# KiCad board Final Project KiCAD designs.kicad_pcb
title: PONG RGB LED Matrix Diver; date: 2023-10-09; rev: 1; note: ENEL599 Final Project; note: Skye Pooley; note: 22179237
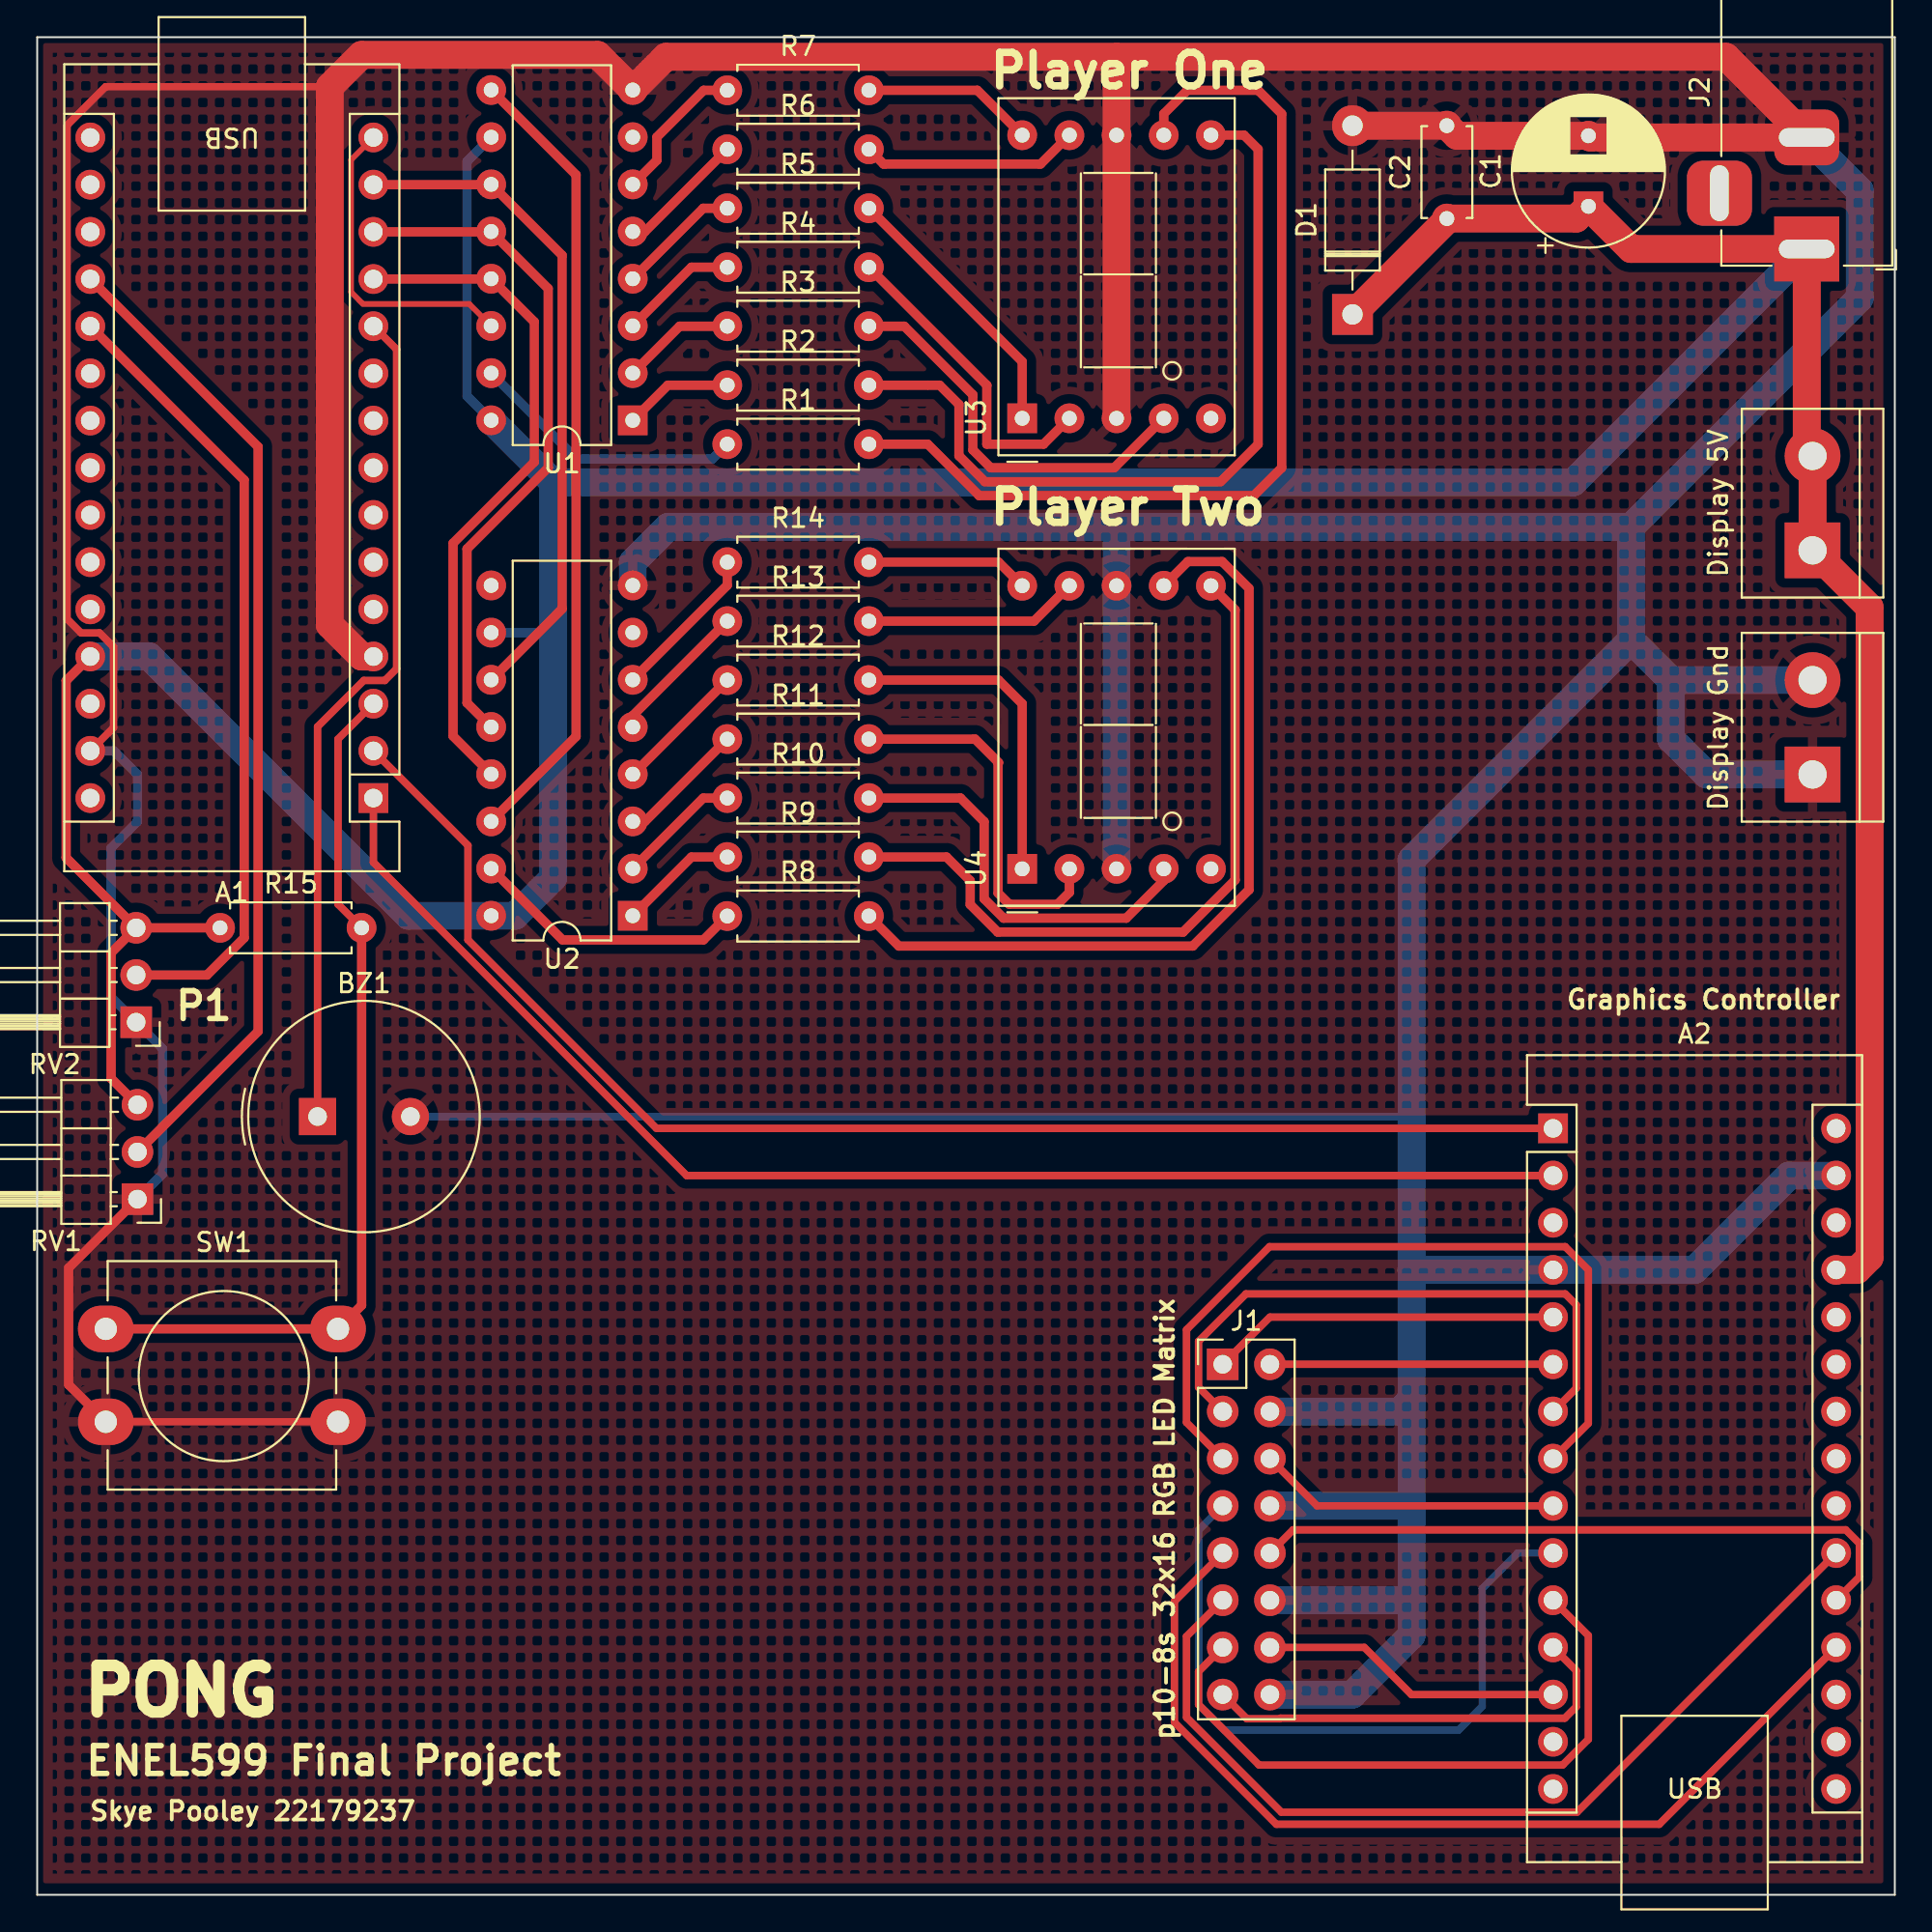
[diagram p0: board, top side]
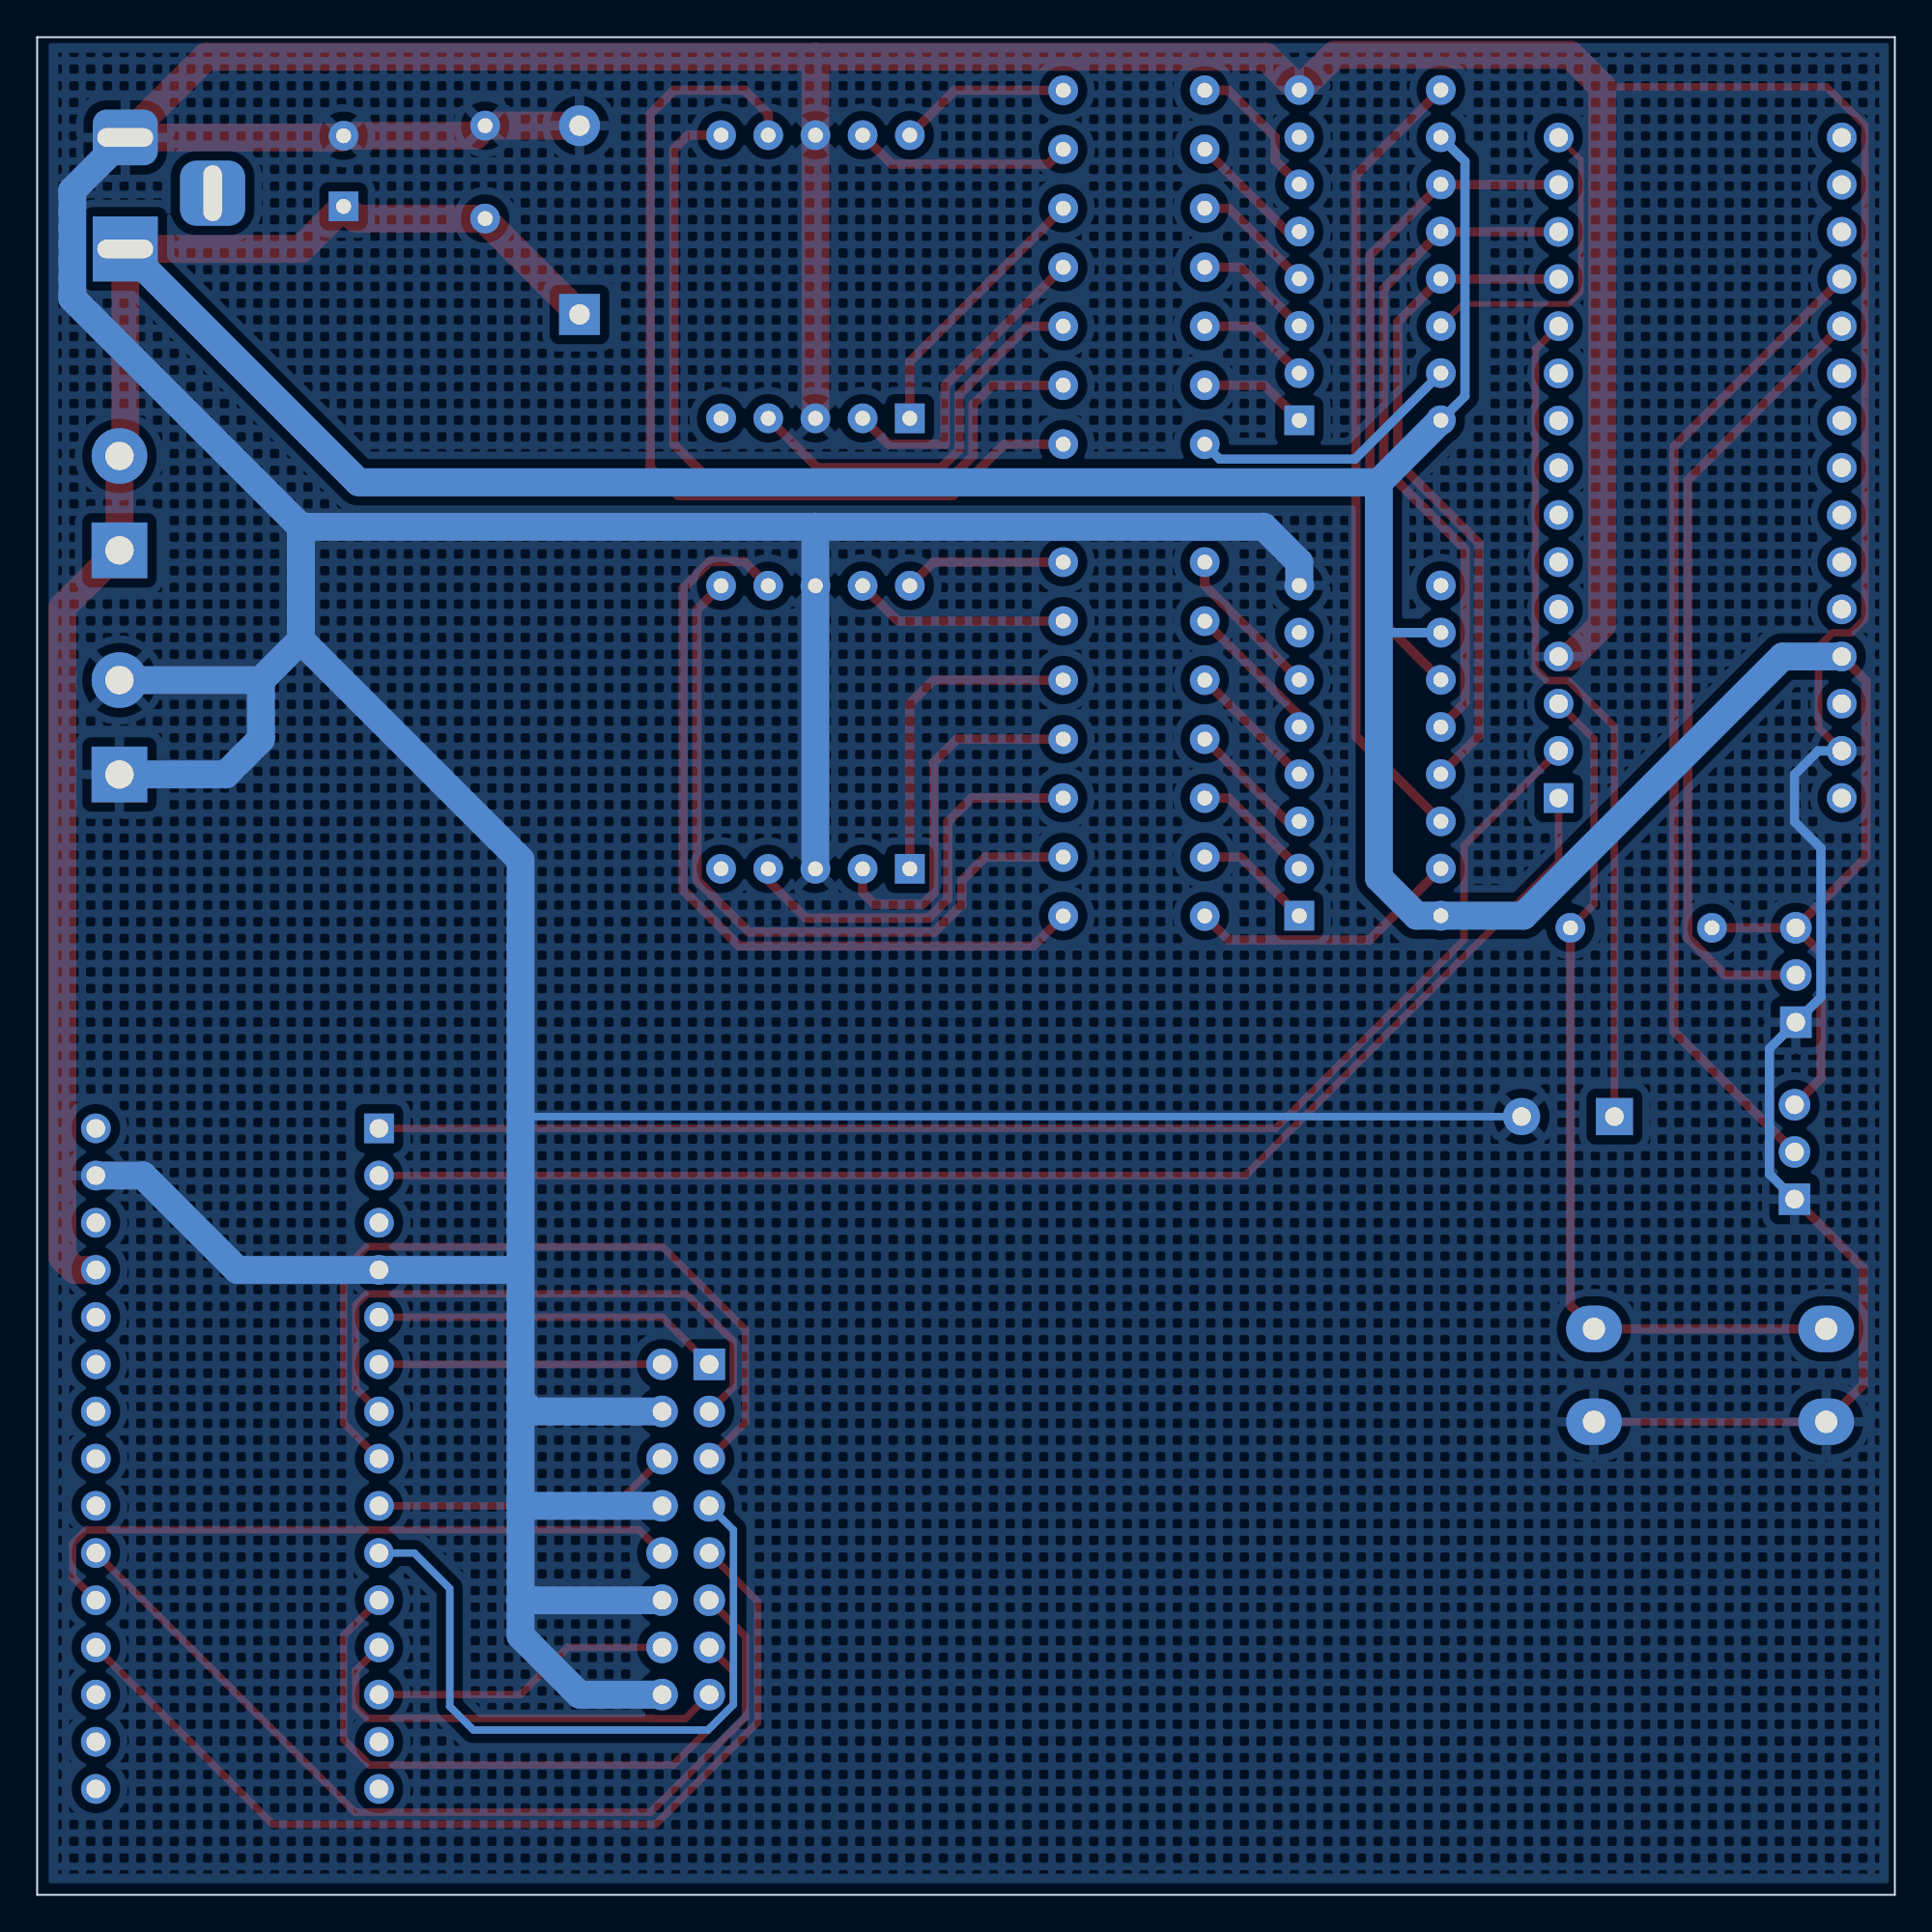
[diagram p1: board, bottom side, seen from below]

Outline 100 x 100 mm; copper layers: Top, Bottom. Coordinates in mm from the lower left corner of the outline.
Outline path: 0,100 100,100 100,0 0,0 0,100
Stack: Top 0.035mm / dielectric 1.51mm FR4 er 4.5 / Bottom 0.035mm

## Placement (name value [footprint] x y rotation side)
A1  Arduino_Nano_v3.x  [Arduino_Nano]  18.1 59.04 180 top
A2  Arduino_Nano_v3.x  [Arduino_Nano]  81.6 41.26 0 top
BZ1  Buzzer  [Buzzer_TDK_PS1240P02BT_D12.2mm_H6.5mm]  15.09 41.89 0 top
C1  C_Polarized  [CP_Radial_D8.0mm_P3.80mm]  83.5 90.89 90 top
C2  1uF  [C_Disc_D4.7mm_W2.5mm_P5.00mm]  75.89 90.23 90 top
D1  1N4001  [D_DO-41_SOD81_P10.16mm_Horizontal]  70.81 85.08 90 top
Display 5V  Screw_Terminal_01x02  [TerminalBlock_bornier-2_P5.08mm]  95.57 72.38 90 top
Display Gnd  Screw_Terminal_01x02  [TerminalBlock_bornier-2_P5.08mm]  95.57 60.31 90 top
J1  LED_Matrix_Header  [PinHeader_2x08_P2.54mm_Vertical]  63.82 28.56 0 top
J2  Jack-DC  [BarrelJack_Horizontal]  95.26 88.6 270 top
R1  200R  [R_Axial_DIN0207_L6.3mm_D2.5mm_P7.62mm_Horizontal]  37.15 78.09 0 top
R2  200R  [R_Axial_DIN0207_L6.3mm_D2.5mm_P7.62mm_Horizontal]  37.15 81.27 0 top
R3  200R  [R_Axial_DIN0207_L6.3mm_D2.5mm_P7.62mm_Horizontal]  37.15 84.44 0 top
R4  200R  [R_Axial_DIN0207_L6.3mm_D2.5mm_P7.62mm_Horizontal]  37.15 87.62 0 top
R5  200R  [R_Axial_DIN0207_L6.3mm_D2.5mm_P7.62mm_Horizontal]  37.15 90.79 0 top
R6  200R  [R_Axial_DIN0207_L6.3mm_D2.5mm_P7.62mm_Horizontal]  37.15 93.97 0 top
R7  200R  [R_Axial_DIN0207_L6.3mm_D2.5mm_P7.62mm_Horizontal]  37.15 97.14 0 top
R8  200R  [R_Axial_DIN0207_L6.3mm_D2.5mm_P7.62mm_Horizontal]  37.15 52.69 0 top
R9  200R  [R_Axial_DIN0207_L6.3mm_D2.5mm_P7.62mm_Horizontal]  37.15 55.86 0 top
R10  200R  [R_Axial_DIN0207_L6.3mm_D2.5mm_P7.62mm_Horizontal]  37.15 59.04 0 top
R11  200R  [R_Axial_DIN0207_L6.3mm_D2.5mm_P7.62mm_Horizontal]  37.15 62.22 0 top
R12  200R  [R_Axial_DIN0207_L6.3mm_D2.5mm_P7.62mm_Horizontal]  37.15 65.39 0 top
R13  200R  [R_Axial_DIN0207_L6.3mm_D2.5mm_P7.62mm_Horizontal]  37.15 68.56 0 top
R14  200R  [R_Axial_DIN0207_L6.3mm_D2.5mm_P7.62mm_Horizontal]  37.15 71.74 0 top
R15  10kR  [R_Axial_DIN0207_L6.3mm_D2.5mm_P7.62mm_Horizontal]  9.84 52.06 0 top
RV1  R_Potentiometer  [PinHeader_1x03_P2.54mm_Horizontal]  5.4 37.45 180 top
RV2  R_Potentiometer  [PinHeader_1x03_P2.54mm_Horizontal]  5.33 46.97 180 top
SW1  SW_Push  [SW_PUSH-12mm_Wuerth-430476085716]  3.7 30.47 0 top
U1  74HC595  [DIP-16_W7.62mm]  32.06 79.38 180 top
U2  74HC595  [DIP-16_W7.62mm]  32.06 52.7 180 top
U3  HDSP-A151  [D1X8K]  53.03 79.48 90 top
U4  HDSP-A151  [D1X8K]  53.03 55.23 90 top

## Library data of the parts
A1 A2 = -: Description: Arduino Nano v3.x
BZ1 = -: Description: Buzzer, polarized
C1 = -: Description: Polarized capacitor
C2 = -: Description: Unpolarized capacitor
D1 = -: Description: 50V 1A General Purpose Rectifier Diode, DO-41; Sim.Device: D; Sim.Pins: 1=K 2=A
Display 5V Display Gnd = -: Description: Generic screw terminal, single row, 01x02, script generated (kicad-library-utils/schlib/autogen/connector/)
J1 = -: Description: Generic connector, double row, 02x08, counter clockwise pin numbering scheme (similar to DIP package numbering), script generated (kicad-library-utils/schlib/autogen/connector/)
J2 = -: Description: DC Barrel Jack
R1-R15 = -: Description: Resistor
RV1 RV2 = -: Description: Potentiometer
SW1 = -: Description: Push button switch, generic, two pins
U1 U2 = -: Description: 8-bit serial in/out Shift Register 3-State Outputs
U3 U4 = -: Description: One digit 7 segment red, common anode

## Footprints (pads in the part's own frame, mm; a bottom-side part is the same pattern mirrored in y, then rotated)
Arduino_Nano
  rect 1.6x1.6 hole 1: 1(0,0)
  oval 1.6x1.6 hole 1: 2(0,-2.54) 3(0,-5.08) 4(0,-7.62) 5(0,-10.16) 6(0,-12.7) 7(0,-15.24) 8(0,-17.78) 9(0,-20.32) 10(0,-22.86) 11(0,-25.4) 12(0,-27.94) 13(0,-30.48) 14(0,-33.02) 15(0,-35.56) 16(15.24,-35.56) 17(15.24,-33.02) 18(15.24,-30.48) 19(15.24,-27.94) 20(15.24,-25.4) 21(15.24,-22.86) 22(15.24,-20.32) 23(15.24,-17.78) 24(15.24,-15.24) 25(15.24,-12.7) 26(15.24,-10.16) 27(15.24,-7.62) 28(15.24,-5.08) 29(15.24,-2.54) 30(15.24,0)
BarrelJack_Horizontal
  rect 3.5x3.5 hole 1x3: 1(0,0)
  rrect 3x3.5 hole 1x3: 2(-6,0)
  rrect 3.5x3.5 hole 3x1: 3(-3,-4.7)
Buzzer_TDK_PS1240P02BT_D12.2mm_H6.5mm
  rect 2x2 hole 1: 1(0,0)
  round 2 hole 1: 2(5,0)
C_Disc_D4.7mm_W2.5mm_P5.00mm
  round 1.6 hole 0.8: 1(0,0) 2(5,0)
CP_Radial_D8.0mm_P3.80mm
  rect 1.6x1.6 hole 0.8: 1(0,0)
  round 1.6 hole 0.8: 2(3.8,0)
D1X8K
  rect 1.6x1.6 hole 0.8: 1(0,0)
  round 1.6 hole 0.8: 2(0,-2.54) 3(0,-5.08) 4(0,-7.62) 5(0,-10.16) 6(15.24,-10.16) 7(15.24,-7.62) 8(15.24,-5.08) 9(15.24,-2.54) 10(15.24,0)
D_DO-41_SOD81_P10.16mm_Horizontal
  rect 2.2x2.2 hole 1.1: 1(0,0)
  oval 2.2x2.2 hole 1.1: 2(10.16,0)
DIP-16_W7.62mm
  rect 1.6x1.6 hole 0.8: 1(0,0)
  oval 1.6x1.6 hole 0.8: 2(0,-2.54) 3(0,-5.08) 4(0,-7.62) 5(0,-10.16) 6(0,-12.7) 7(0,-15.24) 8(0,-17.78) 9(7.62,-17.78) 10(7.62,-15.24) 11(7.62,-12.7) 12(7.62,-10.16) 13(7.62,-7.62) 14(7.62,-5.08) 15(7.62,-2.54) 16(7.62,0)
PinHeader_1x03_P2.54mm_Horizontal
  rect 1.7x1.7 hole 1: 1(0,0)
  oval 1.7x1.7 hole 1: 2(0,-2.54) 3(0,-5.08)
PinHeader_2x08_P2.54mm_Vertical
  rect 1.7x1.7 hole 1: 1(0,0)
  oval 1.7x1.7 hole 1: 2(2.54,0) 3(0,-2.54) 4(2.54,-2.54) 5(0,-5.08) 6(2.54,-5.08) 7(0,-7.62) 8(2.54,-7.62) 9(0,-10.16) 10(2.54,-10.16) 11(0,-12.7) 12(2.54,-12.7) 13(0,-15.24) 14(2.54,-15.24) 15(0,-17.78) 16(2.54,-17.78)
R_Axial_DIN0207_L6.3mm_D2.5mm_P7.62mm_Horizontal
  round 1.6 hole 0.8: 1(0,0)
  oval 1.6x1.6 hole 0.8: 2(7.62,0)
SW_PUSH-12mm_Wuerth-430476085716
  oval 3x2.5 hole 1.2: 1(0,0) 1(12.5,0) 2(0,-5) 2(12.5,-5)
TerminalBlock_bornier-2_P5.08mm
  rect 3x3 hole 1.52: 1(0,0)
  round 3 hole 1.52: 2(5.08,0)

## Nets
+5V: A1.27 A2.27 C1.1 C2.1 D1.1 Display 5V.1 Display 5V.2 J2.1 R15.1 RV1.3 RV2.3 U1.10 U1.16 U2.10 U2.16
GND: A1.4 A1.29 A2.4 A2.29 BZ1.2 C1.2 C2.2 D1.2 Display Gnd.1 Display Gnd.2 J1.4 J1.8 J1.12 J1.16 J2.2 RV1.1 RV2.1 SW1.2 U1.8 U2.8 U3.3 U3.8 U4.3 U4.8
B0: A2.7 J1.3
B1: A2.10 J1.7
CLK: A2.11 J1.13
G0: A2.6 J1.2
G1: A2.9 J1.6
LAT: A2.13 J1.14
OE: A2.12 J1.15
R0: A2.5 J1.1
R1: A2.8 J1.5
RowA: A2.19 J1.9
RowB: A2.20 J1.10
RowC: A2.21 J1.11
Net-(A1-A0): A1.19 RV1.2
Net-(A1-A1): A1.20 RV2.2
Net-(A1-D0/RX): A1.2 A2.1
Net-(A1-D1/TX): A1.1 A2.2
Net-(A1-D8): A1.11 BZ1.1
Net-(A1-D9): A1.12 U1.13 U2.13
Net-(A1-D10): A1.13 U1.12 U2.12
Net-(A1-D11): A1.14 U1.11 U2.11
Net-(A1-D12): A1.15 U1.14
Net-(A1-~{RESET}-Pad3): A1.3 R15.2 SW1.1
Net-(U1-QA): R1.1 U1.15
Net-(U1-QB): R2.1 U1.1
Net-(U1-QC): R3.1 U1.2
Net-(U1-QD): R4.1 U1.3
Net-(U1-QE): R5.1 U1.4
Net-(U1-QF): R6.1 U1.5
Net-(U1-QG): R7.1 U1.6
Net-(U1-QH'): U1.9 U2.14
Net-(U2-QA): R8.1 U2.15
Net-(U2-QB): R9.1 U2.1
Net-(U2-QC): R10.1 U2.2
Net-(U2-QD): R11.1 U2.3
Net-(U2-QE): R12.1 U2.4
Net-(U2-QF): R13.1 U2.5
Net-(U2-QG): R14.1 U2.6
Net-(U3-A): R1.2 U3.7
Net-(U3-B): R2.2 U3.6
Net-(U3-C): R3.2 U3.4
Net-(U3-D): R4.2 U3.2
Net-(U3-E): R5.2 U3.1
Net-(U3-F): R6.2 U3.9
Net-(U3-G): R7.2 U3.10
Net-(U4-A): R8.2 U4.7
Net-(U4-B): R9.2 U4.6
Net-(U4-C): R10.2 U4.4
Net-(U4-D): R11.2 U4.2
Net-(U4-E): R12.2 U4.1
Net-(U4-F): R13.2 U4.9
Net-(U4-G): R14.2 U4.10

Pads without a net: A1 5 6 7 8 9 10 16 17 18 21 22 23 24 25 26 28 30; A2 3 14 15 16 17 18 22 23 24 25 26 28 30; J2 3; U1 7; U2 7 9; U3 5; U4 5

## Routing (per net, layer and track width the routed paths; a pad name or vN(x,y) marks a point on that pad's centre or on a via; arc(x,y) is an arc through that point)
+5V: length 267.4
  Top w0.5: A1.27 1.56,65.36 1.56,55.83 5.33,52.06 ; RV1.3 3.98,43.95 3.98,50.7 5.33,52.06 ; 5.33,52.06 R15.1
  Top w1.5: A2.27 97.97,33.64 98.64,34.31 98.64,69.31 Display 5V.1 Display 5V.2 95.26,77.77 J2.1 85.8,88.6 C1.1 82.85,90.23 C2.1 75.89,90.16 D1.1
  Bottom w0.5: U1.10 23.14,93.31 23.14,80.67 U1.16 ; 27.77,67.93 27.76,67.94 U2.10
  Bottom w1.5: 27.77,76.04 27.77,54.74 25.73,52.7 U2.16 19.99,52.7 6.04,66.66 A1.27 ; 27.77,76.04 U1.16 ; 27.77,76.04 82.7,76.04 J2.1
GND: length 564.8
  Top w0.4: 15.75,97.33 3.68,97.33 1.61,95.25 1.61,68.68 2.36,67.93 3.36,67.93 4.11,67.18 4.11,62.83 A1.29 ; SW1.2 SW1.2
  Top w0.5: RV1.1 1.7,33.75 1.7,27.47 SW1.2
  Top w1.5: D1.2 C2.2 76.43,94.69 C1.2 83.6,94.6 J2.2 90.92,98.94 58.11,98.94 ; 58.11,98.94 33.84,98.94 U1.8 30.17,99.05 17.47,99.05 15.75,97.33 15.75,68.38 17.47,66.66 A1.4 ; 58.11,98.94 U3.8 U3.3
  Bottom w0.4: BZ1.2 73.98,41.89
  Bottom w0.5: RV1.1 6.75,38.8 6.75,45.56 RV2.1 3.98,48.33 3.98,56.35 5.4,57.77 5.4,60.31 4.13,61.58 A1.29
  Bottom w1.5: 85.8,73.65 58.11,73.65 ; 85.8,73.65 85.8,67.54 ; 85.8,73.65 98.11,85.95 98.11,91.75 J2.2 ; 58.11,73.65 U4.8 U4.3 ; 58.11,73.65 33.98,73.65 32.06,71.73 U2.8 ; 73.98,33.64 73.98,26.66 ; 73.98,33.64 73.98,55.72 85.8,67.54 ; 73.98,33.64 A2.4 89.22,33.64 94.3,38.72 A2.29 ; 73.98,26.66 73.34,26.02 J1.4 ; 73.98,26.66 73.98,20.94 ; 73.98,15.86 J1.12 ; 73.98,15.86 73.98,13.95 70.81,10.78 J1.16 ; 73.98,15.86 73.98,20.94 ; 85.8,67.54 87.95,65.39 ; 73.98,20.94 J1.8 ; 87.95,65.39 Display Gnd.2 ; 87.95,65.39 87.95,62.22 89.86,60.31 Display Gnd.1
B0: length 32.2
  Top w0.4: J1.3 62.52,27.32 62.52,29.8 65.07,32.35 82.25,32.35 82.85,31.75 82.85,27.27 A2.7
B1: length 38.5
  Bottom w0.4: J1.7 62.52,19.64 62.52,10.24 63.89,8.88 76.52,8.88 77.79,10.14 77.79,16.5 79.69,18.4 A2.10
CLK: length 34.8
  Top w0.4: J1.13 62.52,12.02 62.52,10.24 65.77,6.99 82.12,6.99 83.5,8.37 83.5,13.96 A2.11
G0: length 15.2
  Top w0.4: J1.2 A2.6
G1: length 16.3
  Top w0.4: J1.6 68.9,20.94 A2.9
LAT: length 16.3
  Top w0.4: J1.14 71.44,13.32 73.98,10.78 A2.13
OE: length 23.5
  Top w0.4: J1.15 65.12,9.48 66.9,9.48 66.93,9.51 82.23,9.51 82.85,10.12 82.85,12.07 A2.12
R0: length 18.8
  Top w0.4: J1.1 66.36,31.1 A2.5
R1: length 42.7
  Top w0.4: A2.8 83.5,25.38 83.5,33.64 82.25,34.89 66.34,34.89 61.87,30.42 61.87,25.43 J1.5
RowA: length 52
  Top w0.4: A2.19 87.32,3.8 66.71,3.8 61.22,9.29 61.22,15.8 J1.9
RowB: length 36.1
  Top w0.4: A2.20 98.09,17.11 98.09,18.92 97.36,19.65 67.61,19.65 J1.10
RowC: length 50
  Top w0.4: A2.21 82.89,4.45 66.97,4.45 61.87,9.56 61.87,13.91 J1.11
Net-(A1-A0): length 53.4
  Top w0.5: RV1.2 11.89,46.48 11.89,77.94 A1.19
Net-(A1-A1): length 43
  Top w0.5: A1.20 11.14,76.16 11.14,51.52 9.14,49.52 RV2.2
Net-(A1-D0/RX): length 74.9
  Top w0.4: A2.1 33.34,41.26 23.19,51.41 23.19,56.49 A1.2
Net-(A1-D1/TX): length 73.9
  Top w0.4: A2.2 34.96,38.72 18.1,55.58 A1.1
Net-(A1-D8): length 45.5
  Top w0.4: A1.11 19.35,83.19 19.35,66 18.72,65.37 17.58,65.37 15.09,62.88 BZ1.1
Net-(A1-D9): length 36.6
  Top w0.5: U2.13 22.39,62.38 22.39,72.76 26.76,77.13 26.76,84.67 U1.13 24.42,86.98 A1.12
Net-(A1-D10): length 36.6
  Top w0.5: A1.13 24.42,89.52 U1.12 27.51,86.47 27.51,76.82 23.14,72.45 23.14,64.16 U2.12
Net-(A1-D11): length 36.2
  Top w0.5: A1.14 24.42,92.06 U1.11 28.26,88.25 28.26,69.22 U2.11
Net-(A1-D12): length 17.1
  Top w0.3: U1.14 23.26,85.64 17.53,85.64 16.9,86.28 16.9,93.4 A1.15
Net-(A1-~{RESET}-Pad3): length 48
  Top w0.4: R15.2 16.2,53.33 16.2,62.22 A1.3
  Top w0.5: R15.2 17.47,31.73 SW1.1 SW1.1
Net-(U1-QA): length 15
  Bottom w0.5: R1.1 36.35,77.29 29.06,77.29 U1.15
Net-(U1-QB): length 5.9
  Top w0.5: U1.1 33.95,81.27 R2.1
Net-(U1-QC): length 6.1
  Top w0.5: U1.2 34.59,84.44 R3.1
Net-(U1-QD): length 6.4
  Top w0.5: R4.1 35.22,87.62 U1.3
Net-(U1-QE): length 6.7
  Top w0.5: R5.1 35.85,90.79 U1.4
Net-(U1-QF): length 6.9
  Top w0.5: R6.1 32.72,89.53 U1.5
Net-(U1-QG): length 7.9
  Top w0.5: U1.6 33.36,93.38 33.36,94.62 35.88,97.14 R7.1
Net-(U1-QH'): length 43.2
  Top w0.5: U1.9 29.01,92.59 29.01,62.35 U2.14
Net-(U2-QA): length 14.8
  Top w0.5: R8.1 35.87,51.41 28.28,51.41 U2.15
Net-(U2-QB): length 6.4
  Top w0.5: R9.1 35.22,55.86 U2.1
Net-(U2-QC): length 6.7
  Top w0.5: U2.2 35.85,59.04 R10.1
Net-(U2-QD): length 6.9
  Top w0.5: U2.3 32.72,57.78 R11.1
Net-(U2-QE): length 7.2
  Top w0.5: R12.1 32.09,60.33 U2.4
Net-(U2-QF): length 7.8
  Top w0.5: U2.5 32.06,63.48 R13.1
Net-(U2-QG): length 8.4
  Top w0.5: R14.1 37.15,70.5 U2.6
Net-(U3-A): length 51.6
  Top w0.5: R1.2 47.94,78.09 50.71,75.32 65.5,75.32 67,76.82 67,95.87 65.72,97.14 61.92,97.14 60.64,95.87 60.64,94.72
Net-(U3-B): length 44.3
  Top w0.5: U3.6 64.97,94.72 65.72,93.97 65.72,78.09 63.7,76.07 51.02,76.07 49.62,77.47 49.62,80.22 48.58,81.27 R2.2
Net-(U3-C): length 21.9
  Top w0.5: R3.2 46.67,84.44 50.37,80.75 50.37,77.78 51.33,76.82 57.98,76.82 60.64,79.48
Net-(U3-D): length 17.2
  Top w0.5: 55.56,79.48 54.17,78.09 51.12,78.09 51.12,81.27 R4.2
Net-(U3-E): length 14.7
  Top w0.5: U3.1 53.03,82.53 R5.2
Net-(U3-F): length 11.8
  Top w0.5: R6.2 45.57,93.17 54.01,93.17 55.56,94.72
Net-(U3-G): length 9.3
  Top w0.5: U3.10 50.61,97.14 R7.2
Net-(U4-A): length 44.3
  Top w0.5: R8.2 46.39,51.08 62.2,51.08 65.23,54.11 65.23,70.33 63.79,71.77 61.94,71.77 60.64,70.47
Net-(U4-B): length 39.7
  Top w0.5: R9.2 48.95,55.86 50.22,54.59 50.22,53.31 51.71,51.83 61.69,51.83 64.48,54.62 64.48,69.17 U4.6
Net-(U4-C): length 22.5
  Top w0.5: R10.2 49.7,59.04 50.97,57.77 50.97,53.62 52.02,52.58 58.62,52.58 60.64,54.59 60.64,55.23
Net-(U4-D): length 20.2
  Top w0.5: 55.56,55.23 55.56,53.96 54.93,53.33 52.33,53.33 51.72,53.93 51.72,60.91 51.75,60.95 50.48,62.22 R11.2
Net-(U4-E): length 17.7
  Top w0.5: R12.2 51.75,65.39 53.03,64.12 U4.1
Net-(U4-F): length 11.6
  Top w0.5: R13.2 53.66,68.56 55.56,70.47
Net-(U4-G): length 8.8
  Top w0.5: U4.10 51.75,71.74 R14.2

## Copper pours and planes (outline as drawn; the poured copper is in the pictures)
GND on Top: 0.32,99.68 0.32,0.62 99.38,0.62 99.38,99.68
GND on Bottom: 0.32,99.68 99.38,99.68 99.38,0.62 0.32,0.62

## Text on the board
F.Silkscreen: Skye Pooley 22179237 | Graphics Controller | p10-8s 32x16 RGB LED Matrix | ENEL599 Final Project | P1 | Player One | Player Two | PONG
